# KiCad board artix-dc-scm.kicad_pcb
title: Artix - Datacenter Secure Control Module (DC-SCM); date: 2024-11-06; rev: 1.1.3
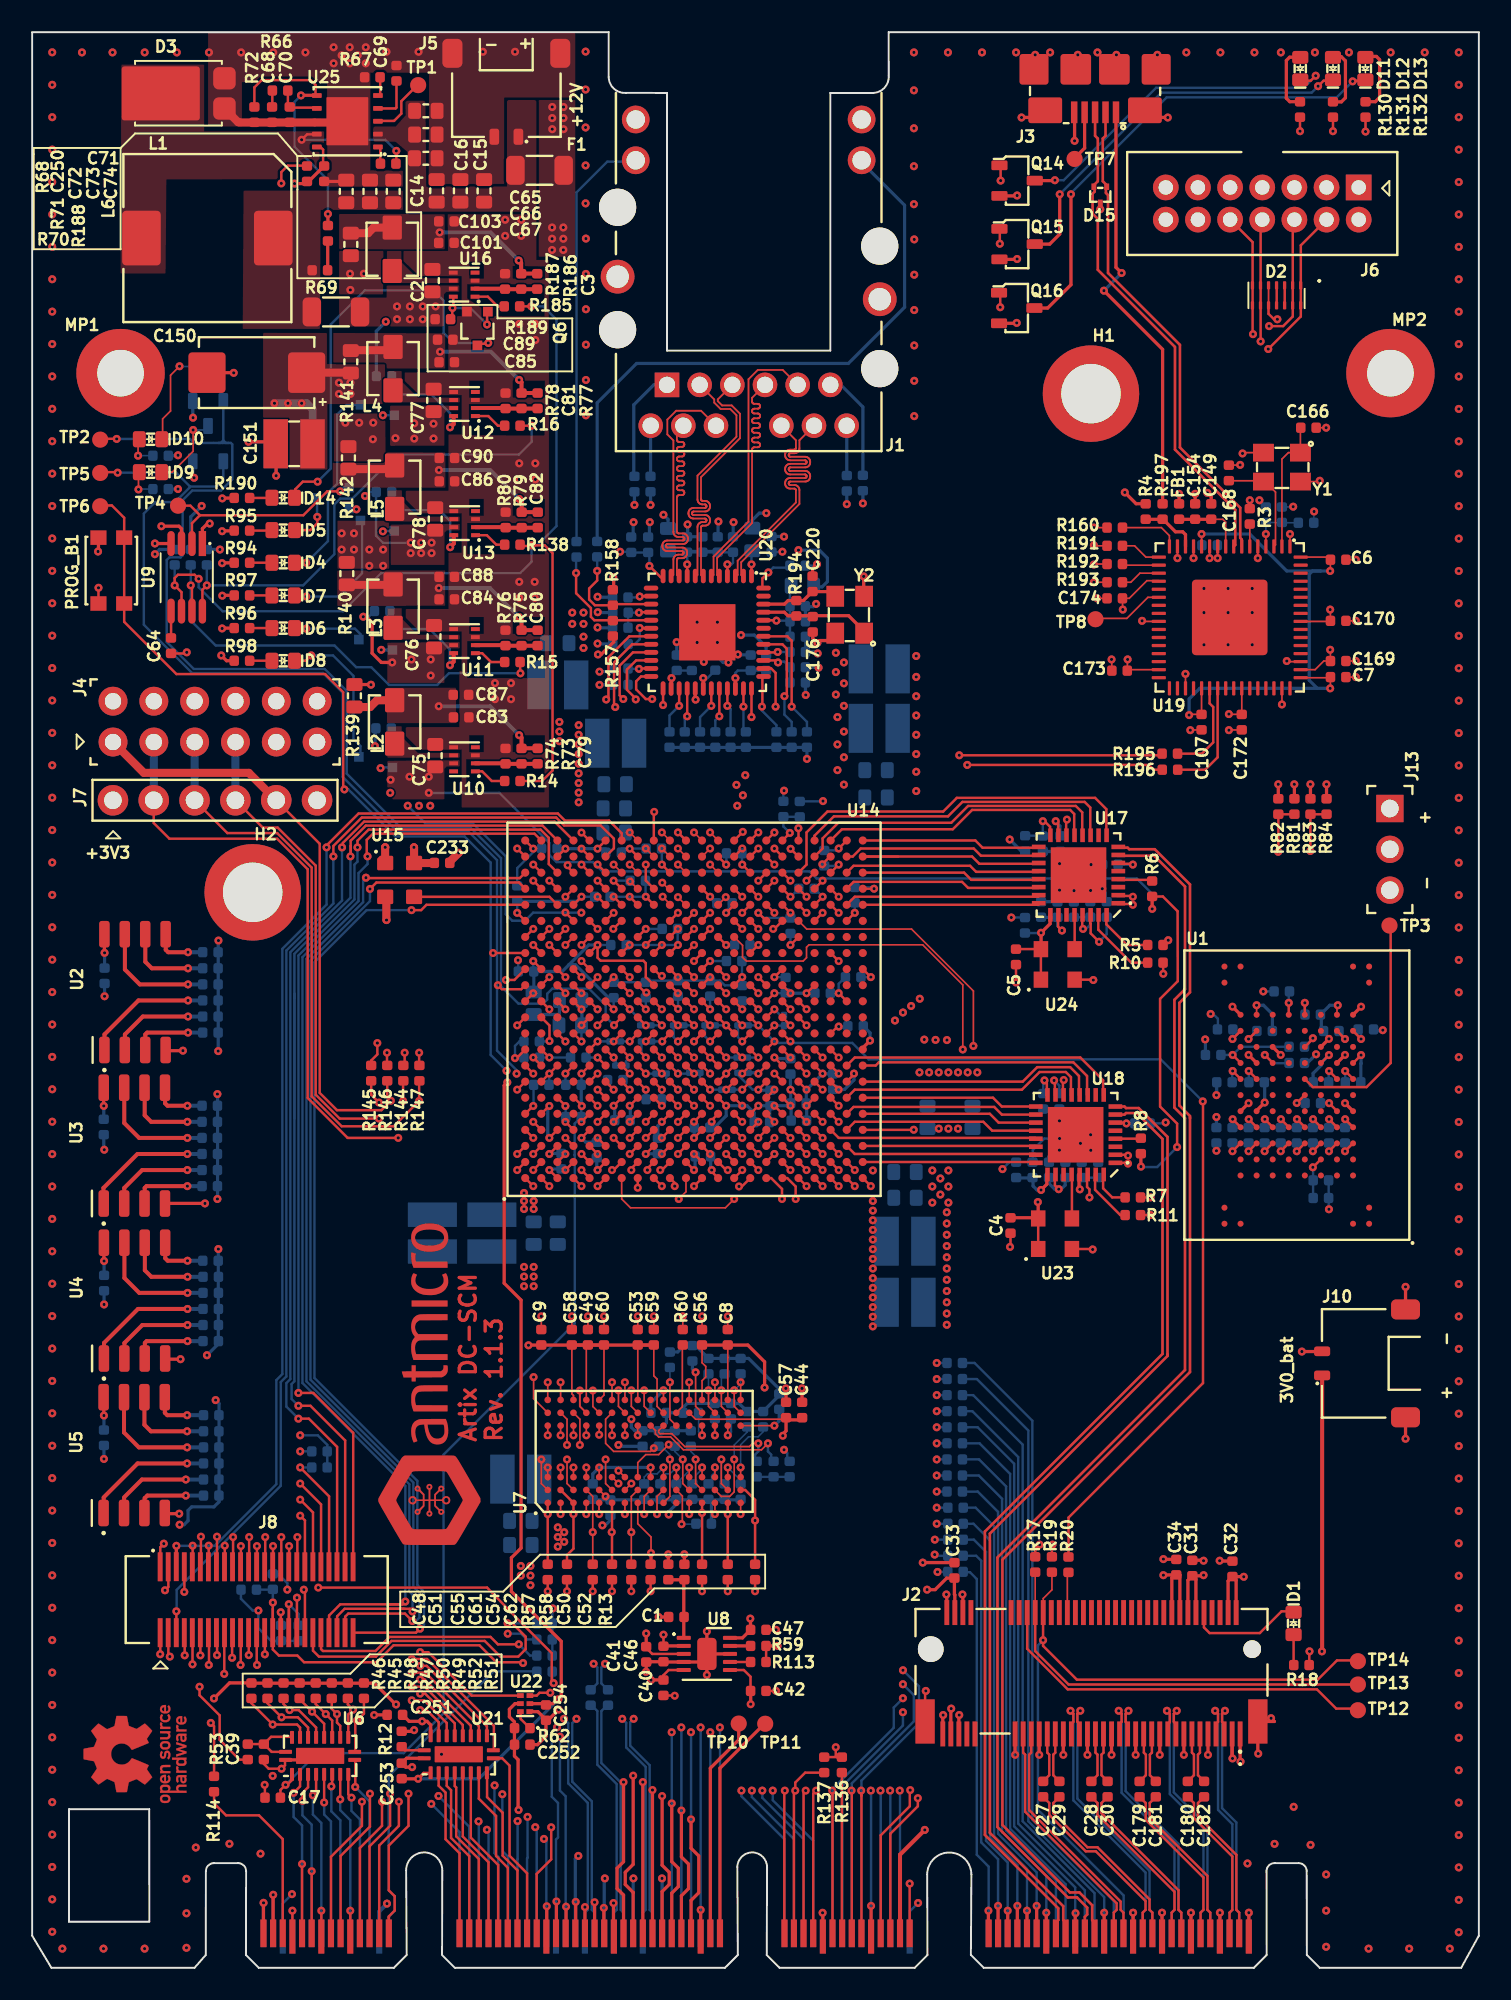
[diagram p0: board, top side]
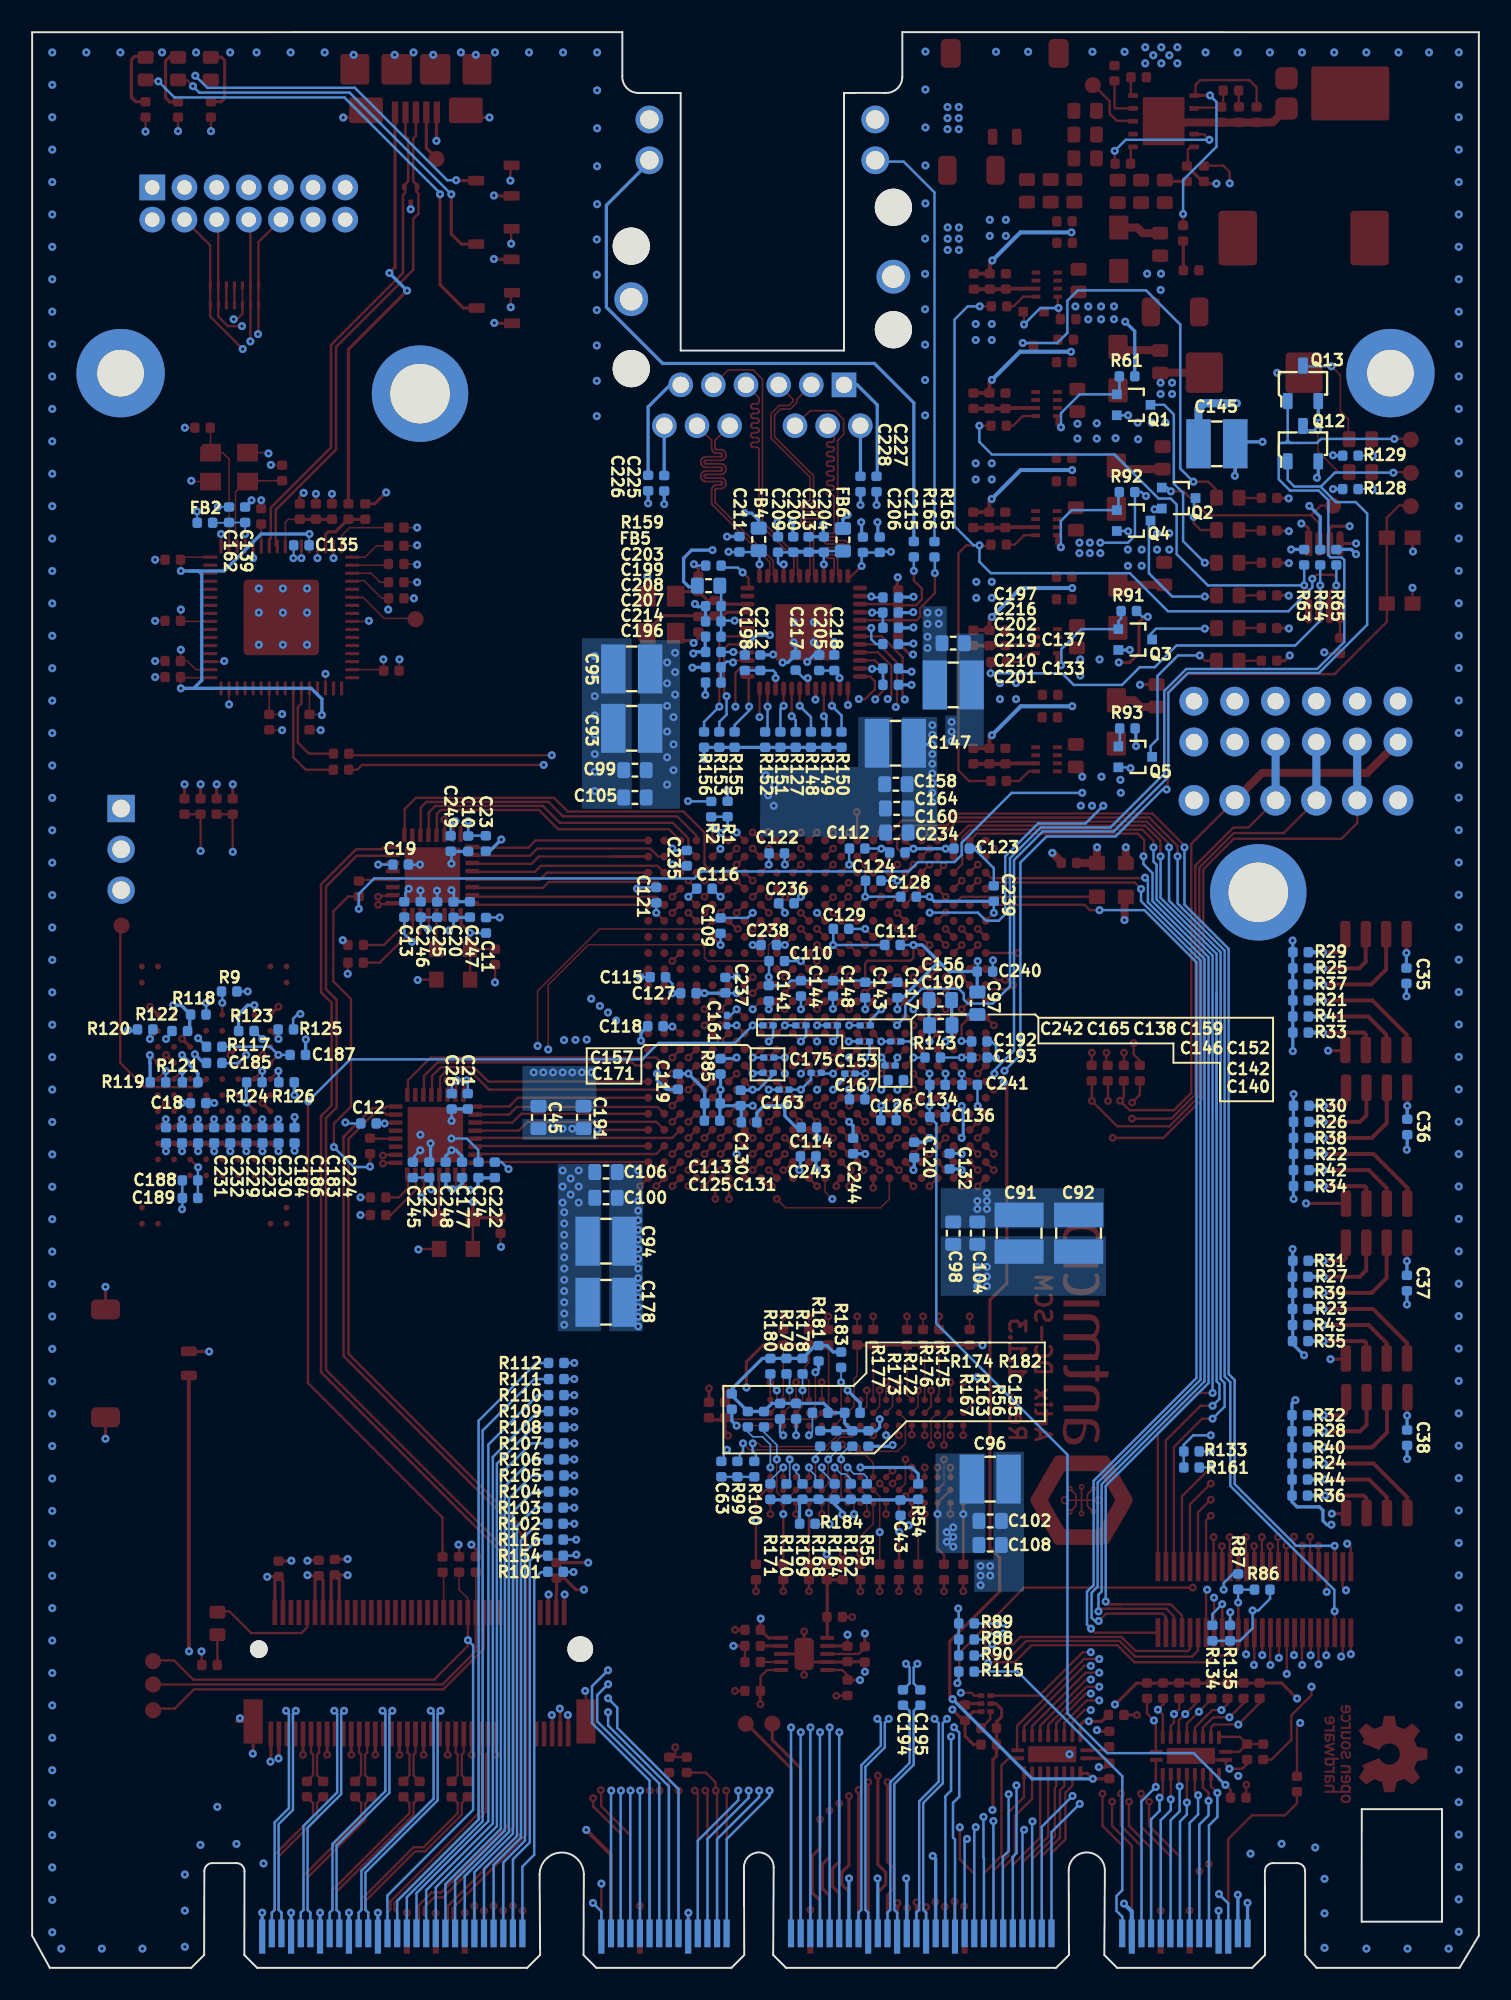
[diagram p1: board, bottom side, seen from below]

Outline 90 x 120.41 mm; copper layers: Top, In1.Cu, In2.Cu, In3.Cu, In4.Cu, In5.Cu, In6.Cu, Bottom. Coordinates in mm from the lower left corner of the outline.
Outline path: 0,2 0,120.4 35.87,120.41 35.87,117.61 arc(36.19,116.89) 36.94,116.63 39.49,116.62 39.49,100.6 49.65,100.6 49.65,116.62 52.3,116.62 arc(53.02,116.95) 53.29,117.7 53.29,120.41 90,120.4 90,2 88.9,0 80.1,0 79.3,0.8 79.29,6.02 arc(79.14,6.37) 78.79,6.52 77.29,6.52 arc(76.94,6.37) 76.79,6.02 76.8,0.8 76,0 59.2,0 58.4,0.8 58.43,5.81 arc(57.05,7.19) 55.68,5.81 55.7,0.8 54.9,0 46.5,0 45.7,0.8 45.72,6.26 arc(44.79,7.18) 43.87,6.26 43.9,0.8 43.1,0 26.3,0 25.5,0.8 25.51,6.06 arc(24.39,7.18) 23.26,6.06 23.3,0.8 22.5,0 14.1,0 13.3,0.8 13.31,6.02 arc(13.16,6.37) 12.81,6.52 11.31,6.51 arc(10.96,6.37) 10.81,6.01 10.8,0.8 10.1,0 1.2,0 0,2 ; 2.29,9.87 7.29,9.87 7.29,2.87 2.29,2.87 2.29,9.87
Stack: Top 0.035mm / dielectric 0.1857mm FR4 er 4.5 / In1.Cu 0.035mm / dielectric 0.1857mm FR4 er 4.5 / In2.Cu 0.035mm / dielectric 0.1857mm FR4 er 4.5 / In3.Cu 0.035mm / dielectric 0.1857mm FR4 er 4.5 / In4.Cu 0.035mm / dielectric 0.1857mm FR4 er 4.5 / In5.Cu 0.035mm / dielectric 0.1857mm FR4 er 4.5 / In6.Cu 0.035mm / dielectric 0.1857mm FR4 er 4.5 / Bottom 0.035mm

## Placement (name value [footprint] x y rotation side)
C1  C_1n_0402  [C_0402_1005Metric]  40.07 21.83 0 top
C2  C_10u_0603  [C_0603_1608Metric]  24.9 104.95 270 top
C3  C_120p_0402  [C_0402_1005Metric]  31.42 104.9 90 top
C4  C_100n_0402  [C_0402_1005Metric]  60.87 46.18 90 top
C5  C_100n_0402  [C_0402_1005Metric]  61.21 62.89 270 top
C6  C_100n_0402  [C_0402_1005Metric]  81.25 87.59 180 top
C7  C_100n_0402  [C_0402_1005Metric]  81.25 80.29 180 top
C8  C_470n_0402  [C_0402_1005Metric]  43.27 39.23 270 top
C9  C_470n_0402  [C_0402_1005Metric]  31.67 39.23 270 top
C10  C_100n_0402  [C_0402_1005Metric]  62.87 69.93 90 bottom
C11  C_100n_0402  [C_0402_1005Metric]  61.76 64.85 270 bottom
C12  C_100n_0402  [C_0402_1005Metric]  69.08 52.53 180 bottom
C13  C_100n_0402  [C_0402_1005Metric]  66.85 65.84 270 bottom
C14  C_10u_25V_0603  [C_0603_1608Metric]  25.16 110.54 270 top
C15  C_10u_25V_0603  [C_0603_1608Metric]  28.12 110.54 270 top
C16  C_10u_25V_0603  [C_0603_1608Metric]  26.64 110.54 270 top
C17  C_100n_6V3_0402  [C_0402_1005Metric]  14.96 10.59 0 top
C18  C_100n_0402  [C_0402_1005Metric]  79.67 53.79 0 bottom
C19  C_100n_0402  [C_0402_1005Metric]  67.07 68.63 0 bottom
C20  C_100n_0402  [C_0402_1005Metric]  63.79 65.83 270 bottom
C21  C_100n_0402  [C_0402_1005Metric]  62.9 53.9 90 bottom
C22  C_100n_0402  [C_0402_1005Metric]  65.29 49.64 270 bottom
C23  C_4u7_0402  [C_0402_1005Metric]  61.77 69.94 90 bottom
C24  C_100n_0402  [C_0402_1005Metric]  62.23 49.64 270 bottom
C25  C_100n_0402  [C_0402_1005Metric]  64.81 65.83 270 bottom
C26  C_100n_0402  [C_0402_1005Metric]  63.9 53.9 90 bottom
C27  C_100n_6V3_0402  [C_0402_1005Metric]  62.9 11.12 270 top
C28  C_100n_6V3_0402  [C_0402_1005Metric]  65.9 11.12 270 top
C29  C_100n_6V3_0402  [C_0402_1005Metric]  63.9 11.12 270 top
C30  C_100n_6V3_0402  [C_0402_1005Metric]  66.91 11.12 270 top
C31  C_10u_0402  [C_0402_1005Metric]  72.18 24.87 270 top
C32  C_10u_0402  [C_0402_1005Metric]  74.67 24.82 270 top
C33  C_10u_0402  [C_0402_1005Metric]  57.37 24.73 270 top
C34  C_10u_0402  [C_0402_1005Metric]  71.18 24.93 270 top
C35  C_470n_0402  [C_0402_1005Metric]  4.51 61.71 90 bottom
C36  C_470n_0402  [C_0402_1005Metric]  4.46 52.31 90 bottom
C37  C_470n_0402  [C_0402_1005Metric]  4.48 42.59 90 bottom
C38  C_470n_0402  [C_0402_1005Metric]  4.46 32.98 90 bottom
C39  C_100n_6V3_0402  [C_0402_1005Metric]  14.41 13.44 90 top
C40  C_10u_0402  [C_0402_1005Metric]  39.27 17.43 90 top
C41  C_10u_0402  [C_0402_1005Metric]  38.2 19.5 90 top
C42  C_100n_6V3_0402  [C_0402_1005Metric]  45.18 17.23 180 top
C43  C_10u_0402  [C_0402_1005Metric]  35.98 28.62 90 bottom
C44  C_100n_6V3_0402  [C_0402_1005Metric]  47.9 34.7 270 top
C45  C_4u7_0603  [C_0603_1608Metric]  58.5 52.9 270 bottom
C46  C_100n_6V3_0402  [C_0402_1005Metric]  39.27 19.53 90 top
C47  C_10u_0402  [C_0402_1005Metric]  45.18 21.03 180 top
C48  C_4u7_0402  [C_0402_1005Metric]  32.07 24.62 90 top
C49  C_470n_0402  [C_0402_1005Metric]  34.57 39.23 270 top
C50  C_470n_0402  [C_0402_1005Metric]  41.67 24.62 90 top
C51  C_470n_0402  [C_0402_1005Metric]  33.27 24.62 90 top
C52  C_470n_0402  [C_0402_1005Metric]  43.27 24.62 90 top
C53  C_470n_0402  [C_0402_1005Metric]  37.67 39.23 270 top
C54  C_470n_0402  [C_0402_1005Metric]  37.27 24.62 90 top
C55  C_470n_0402  [C_0402_1005Metric]  34.87 24.62 90 top
C56  C_470n_0402  [C_0402_1005Metric]  41.67 39.23 270 top
C57  C_100n_6V3_0402  [C_0402_1005Metric]  46.9 34.7 270 top
C58  C_470n_0402  [C_0402_1005Metric]  33.57 39.23 270 top
C59  C_470n_0402  [C_0402_1005Metric]  38.67 39.23 270 top
C60  C_470n_0402  [C_0402_1005Metric]  35.57 39.23 270 top
C61  C_470n_0402  [C_0402_1005Metric]  36.07 24.62 90 top
C62  C_100n_6V3_0402  [C_0402_1005Metric]  38.47 24.62 90 top
C63  C_100n_6V3_0402  [C_0402_1005Metric]  47.12 31.03 90 bottom
C64  C_10n_0402  [C_0402_1005Metric]  8.64 82.24 90 top
C65  C_2u2_0603_25V  [C_0603_1608Metric]  24.49 115.51 180 top
C66  C_2u2_0603_25V  [C_0603_1608Metric]  24.49 114.04 180 top
C67  C_2u2_0603_25V  [C_0603_1608Metric]  24.49 112.56 180 top
C68  C_4n7_0402  [C_0402_1005Metric]  14.93 115.28 90 top
C69  C_10n_0402  [C_0402_1005Metric]  22.66 117.85 270 top
C70  C_47p_0402  [C_0402_1005Metric]  16.02 115.28 90 top
C71  C_100n_6V3_0402  [C_0402_1005Metric]  22.15 112.23 0 top
C72  C_47u_0603  [C_0603_1608Metric]  19.54 110.5 270 top
C73  C_47u_0603  [C_0603_1608Metric]  21.01 110.5 270 top
C74  C_47u_0603  [C_0603_1608Metric]  22.46 110.5 270 top
C75  C_10u_0603  [C_0603_1608Metric]  25.07 75.4 270 top
C76  C_10u_0603  [C_0603_1608Metric]  25 82.8 270 top
C77  C_10u_0603  [C_0603_1608Metric]  24.98 97.5 270 top
C78  C_10u_0603  [C_0603_1608Metric]  25.07 90.13 270 top
C79  C_120p_0402  [C_0402_1005Metric]  31.45 75.38 90 top
C80  C_120p_0402  [C_0402_1005Metric]  31.45 82.73 90 top
C81  C_120p_0402  [C_0402_1005Metric]  31.45 97.48 90 top
C82  C_120p_0402  [C_0402_1005Metric]  31.46 90.07 90 top
C83  C_10u_0402  [C_0402_1005Metric]  26.69 77.79 180 top
C84  C_10u_0402  [C_0402_1005Metric]  25.79 85.13 180 top
C85  C_10u_0402  [C_0402_1005Metric]  25.79 99.88 180 top
C86  C_10u_0402  [C_0402_1005Metric]  25.8 92.47 180 top
C87  C_10u_0402  [C_0402_1005Metric]  26.67 79.19 180 top
C88  C_10u_0402  [C_0402_1005Metric]  25.79 86.53 180 top
C89  C_10u_0402  [C_0402_1005Metric]  25.7 101.28 180 top
C90  C_10u_0402  [C_0402_1005Metric]  25.8 93.92 180 top
C91  C_47u_1210  [C_1210_3225Metric]  28.6 45.7 90 bottom
C92  C_47u_1210  [C_1210_3225Metric]  24.9 45.7 90 bottom
C93  C_47u_1210  [C_1210_3225Metric]  52.7 77.1 180 bottom
C94  C_47u_1210  [C_1210_3225Metric]  54.3 45.2 180 bottom
C95  C_47u_1210  [C_1210_3225Metric]  52.7 80.8 180 bottom
C96  C_47u_1210  [C_1210_3225Metric]  30.4 30.4 0 bottom
C97  C_4u7_0603  [C_0603_1608Metric]  31.2 60 90 bottom
C98  C_4u7_0603  [C_0603_1608Metric]  32.7 45.7 90 bottom
C99  C_4u7_0603  [C_0603_1608Metric]  52.5 74.5 180 bottom
C100  C_4u7_0603  [C_0603_1608Metric]  54.3 47.9 180 bottom
C101  C_10u_0402  [C_0402_1005Metric]  25.77 107.3 180 top
C102  C_4u7_0603  [C_0603_1608Metric]  30.4 27.8 0 bottom
C103  C_10u_0402  [C_0402_1005Metric]  25.77 108.64 180 top
C104  C_4u7_0603  [C_0603_1608Metric]  31.2 45.7 90 bottom
C105  C_4u7_0603  [C_0603_1608Metric]  52.5 72.8 180 bottom
C106  C_4u7_0603  [C_0603_1608Metric]  54.3 49.5 180 bottom
C107  C_100n_0402  [C_0402_1005Metric]  72.75 77.49 90 top
C108  C_4u7_0603  [C_0603_1608Metric]  30.4 26.3 0 bottom
C109  C_470n_0402  [C_0402_1005Metric]  47.18 64.83 270 bottom
C110  C_470n_0402  [C_0402_1005Metric]  44.18 63.63 0 bottom
C111  C_470n_0402  [C_0402_1005Metric]  36.48 63.63 180 bottom
C112  C_470n_0402  [C_0402_1005Metric]  38.68 69.63 0 bottom
C113  C_470n_0402  [C_0402_1005Metric]  47.68 53.78 180 bottom
C114  C_470n_0402  [C_0402_1005Metric]  41.68 52.28 180 bottom
C115  C_470n_0402  [C_0402_1005Metric]  51.07 61.63 0 bottom
C116  C_470n_0402  [C_0402_1005Metric]  48.18 67.13 180 bottom
C117  C_470n_0402  [C_0402_1005Metric]  36.18 60.83 270 bottom
C118  C_470n_0402  [C_0402_1005Metric]  51.23 58.58 180 bottom
C119  C_470n_0402  [C_0402_1005Metric]  49.82 55.13 270 bottom
C120  C_470n_0402  [C_0402_1005Metric]  35.12 50.88 270 bottom
C121  C_470n_0402  [C_0402_1005Metric]  51.18 66.73 270 bottom
C122  C_470n_0402  [C_0402_1005Metric]  43.68 69.33 180 bottom
C123  C_470n_0402  [C_0402_1005Metric]  32.18 69.63 0 bottom
C124  C_470n_0402  [C_0402_1005Metric]  37.68 67.63 180 bottom
C125  C_470n_0402  [C_0402_1005Metric]  47.7 52.7 180 bottom
C126  C_470n_0402  [C_0402_1005Metric]  36.73 52.73 0 bottom
C127  C_470n_0402  [C_0402_1005Metric]  49.18 60.63 180 bottom
C128  C_470n_0402  [C_0402_1005Metric]  35.48 66.63 180 bottom
C129  C_470n_0402  [C_0402_1005Metric]  39.68 64.63 180 bottom
C130  C_470n_0402  [C_0402_1005Metric]  45.93 54.11 270 bottom
C131  C_470n_0402  [C_0402_1005Metric]  45.4 52.6 0 bottom
C132  C_470n_0402  [C_0402_1005Metric]  32.93 50.18 270 bottom
C133  C_47u_1210  [C_1210_3225Metric]  32.7 79.8 180 bottom
C134  C_100n_6V3_0402  [C_0402_1005Metric]  33.68 54.93 0 bottom
C135  C_100n_0402  [C_0402_1005Metric]  73.25 88.49 180 bottom
C136  C_100n_6V3_0402  [C_0402_1005Metric]  33.68 52.93 0 bottom
C137  C_4u7_0603  [C_0603_1608Metric]  32.7 82.4 180 bottom
C138  C_470n_0201  [C_0201]  40.23 58.63 0 bottom
C139  C_100n_0402  [C_0402_1005Metric]  76.75 90.39 270 bottom
C140  C_470n_0402  [C_0402_1005Metric]  36.27 55.23 180 bottom
C141  C_470n_0402  [C_0402_1005Metric]  44.18 60.63 270 bottom
C142  C_470n_0201  [C_0201]  36.62 56.13 180 bottom
C143  C_470n_0402  [C_0402_1005Metric]  38.18 60.83 270 bottom
C144  C_470n_0402  [C_0402_1005Metric]  42.18 60.93 270 bottom
C145  C_100u_1210  [C_1210_3225Metric]  16.3 94.8 0 bottom
C146  C_470n_0201  [C_0201]  38.23 57.63 0 bottom
C147  C_47u_1210  [C_1210_3225Metric]  36.3 76.17 180 bottom
C148  C_470n_0402  [C_0402_1005Metric]  40.18 60.93 270 bottom
C149  C_100n_0402  [C_0402_1005Metric]  73.35 90.59 270 top
C150  C_Pol_330u_6.3V_KEMET-T520-D  [C_Pol_EIA-D]  13.98 99.23 180 top
C151  C_100u_1210  [C_1210_3225Metric]  16.3 94.8 0 top
C152  C_470n_0201  [C_0201]  36.27 57.63 0 bottom
C153  C_470n_0201  [C_0201]  39.12 55.63 180 bottom
C154  C_4u7_0402  [C_0402_1005Metric]  72.35 90.59 270 top
C155  C_10u_0402  [C_0402_1005Metric]  37.98 32.93 90 bottom
C156  C_4u7_0603  [C_0603_1608Metric]  33.5 60.2 0 bottom
C157  C_470n_0201  [C_0201]  44.18 56.63 0 bottom
C158  C_4u7_0603  [C_0603_1608Metric]  36.27 73.62 180 bottom
C159  C_470n_0201  [C_0201]  38.18 58.63 0 bottom
C160  C_4u7_0603  [C_0603_1608Metric]  36.21 70.62 180 bottom
C161  C_470n_0201  [C_0201]  46.77 58.93 270 bottom
C162  C_4u7_0402  [C_0402_1005Metric]  77.75 90.39 270 bottom
C163  C_470n_0201  [C_0201]  43.23 54.63 0 bottom
C164  C_4u7_0603  [C_0603_1608Metric]  36.22 72.12 180 bottom
C165  C_470n_0201  [C_0201]  42.18 58.63 0 bottom
C166  C_18p_0402  [C_0402_1005Metric]  79.4 95.8 180 top
C167  C_470n_0402  [C_0402_1005Metric]  38.68 54.03 0 bottom
C168  C_18p_0402  [C_0402_1005Metric]  74.45 92.99 270 top
C169  C_100n_0402  [C_0402_1005Metric]  81.25 81.29 180 top
C170  C_100n_0402  [C_0402_1005Metric]  81.25 83.79 180 top
C171  C_470n_0201  [C_0201]  44.23 55.68 0 bottom
C172  C_100n_0402  [C_0402_1005Metric]  75.25 77.49 90 top
C173  C_100n_0402  [C_0402_1005Metric]  67.65 80.69 0 top
C174  C_100n_0402  [C_0402_1005Metric]  67.35 85.19 0 top
C175  C_470n_0201  [C_0201]  41.23 55.68 180 bottom
C176  C_22p_0402  [C_0402_1005Metric]  48.56 83.57 90 top
C177  C_4u7_0402  [C_0402_1005Metric]  63.26 49.64 270 bottom
C178  C_47u_1210  [C_1210_3225Metric]  54.3 41.4 180 bottom
C179  C_100n_6V3_0402  [C_0402_1005Metric]  68.9 11.12 270 top
C180  C_100n_6V3_0402  [C_0402_1005Metric]  71.9 11.12 270 top
C181  C_100n_6V3_0402  [C_0402_1005Metric]  69.91 11.12 270 top
C182  C_100n_6V3_0402  [C_0402_1005Metric]  72.91 11.12 270 top
C183  C_2u2_0402  [C_0402_1005Metric]  74.67 51.79 270 bottom
C184  C_2u2_0402  [C_0402_1005Metric]  76.67 51.79 270 bottom
C185  C_2u2_0402  [C_0402_1005Metric]  78.67 56.29 180 bottom
C186  C_100n_6V3_0402  [C_0402_1005Metric]  75.67 51.79 270 bottom
C187  C_100n_6V3_0402  [C_0402_1005Metric]  73.47 56.79 0 bottom
C188  C_4u7_0402  [C_0402_1005Metric]  80.17 48.99 180 bottom
C189  C_100n_6V3_0402  [C_0402_1005Metric]  80.17 47.89 180 bottom
C190  C_4u7_0603  [C_0603_1608Metric]  33.48 58.63 0 bottom
C191  C_4u7_0603  [C_0603_1608Metric]  55.7 52.9 270 bottom
C192  C_100n_6V3_0402  [C_0402_1005Metric]  31.07 57.63 0 bottom
C193  C_100n_6V3_0402  [C_0402_1005Metric]  31.07 56.63 0 bottom
C194  C_100n_6V3_0402  [C_0402_1005Metric]  35.82 16.81 90 bottom
C195  C_100n_6V3_0402  [C_0402_1005Metric]  34.74 16.81 90 bottom
C196  C_4u7_0402  [C_0402_1005Metric]  47.62 79.95 180 bottom
C197  C_470n_0402  [C_0402_1005Metric]  36.59 85.24 0 bottom
C198  C_4u7_0402  [C_0402_1005Metric]  45.66 81.18 270 bottom
C199  C_4u7_0402  [C_0402_1005Metric]  47.62 83.75 180 bottom
C200  C_4u7_0402  [C_0402_1005Metric]  42.65 88.54 270 bottom
C201  C_470n_0402  [C_0402_1005Metric]  36.59 79.81 0 bottom
C202  C_470n_0402  [C_0402_1005Metric]  36.59 83.36 0 bottom
C203  C_100n_0402  [C_0402_1005Metric]  47.62 84.7 180 bottom
C204  C_470n_0402  [C_0402_1005Metric]  40.74 88.54 270 bottom
C205  C_470n_0402  [C_0402_1005Metric]  41.04 81.18 270 bottom
C206  C_4u7_0402  [C_0402_1005Metric]  38.32 88.52 270 bottom
C207  C_10n_0402  [C_0402_1005Metric]  47.62 81.85 180 bottom
C208  C_10n_0402  [C_0402_1005Metric]  47.62 82.8 180 bottom
C209  C_10n_0402  [C_0402_1005Metric]  43.6 88.54 270 bottom
C210  C_10n_0402  [C_0402_1005Metric]  36.59 80.82 0 bottom
C211  C_10n_0402  [C_0402_1005Metric]  46 88.55 270 bottom
C212  C_10n_0402  [C_0402_1005Metric]  44.7 81.18 270 bottom
C213  C_10n_0402  [C_0402_1005Metric]  41.7 88.54 270 bottom
C214  C_10n_0402  [C_0402_1005Metric]  47.62 80.9 180 bottom
C215  C_10n_0402  [C_0402_1005Metric]  37.27 88.52 270 bottom
C216  C_10n_0402  [C_0402_1005Metric]  36.6 84.3 0 bottom
C217  C_10n_0402  [C_0402_1005Metric]  42.5 81.2 270 bottom
C218  C_10n_0402  [C_0402_1005Metric]  40.1 81.18 270 bottom
C219  C_10n_0402  [C_0402_1005Metric]  36.6 82.35 0 bottom
C220  C_22p_0402  [C_0402_1005Metric]  48.55 86.09 270 top
C222  C_4u7_0402  [C_0402_1005Metric]  61.21 49.64 270 bottom
C223  C_100n_6V3_0402  [C_0402_1005Metric]  78.67 51.79 270 bottom
C224  C_100n_6V3_0402  [C_0402_1005Metric]  73.68 51.79 270 bottom
C225  C_100n_0402  [C_0402_1005Metric]  50.68 92.35 90 bottom
C226  C_100n_0402  [C_0402_1005Metric]  51.68 92.36 90 bottom
C227  C_100n_0402  [C_0402_1005Metric]  37.47 92.3 90 bottom
C228  C_100n_0402  [C_0402_1005Metric]  38.47 92.3 90 bottom
C229  C_100n_6V3_0402  [C_0402_1005Metric]  79.67 51.79 270 bottom
C230  C_100n_6V3_0402  [C_0402_1005Metric]  77.67 51.79 270 bottom
C231  C_100n_6V3_0402  [C_0402_1005Metric]  81.67 51.79 270 bottom
C232  C_100n_6V3_0402  [C_0402_1005Metric]  80.67 51.79 270 bottom
C233  C_100n_0402  [C_0402_1005Metric]  25.5 68.73 180 top
C234  C_470n_0402  [C_0402_1005Metric]  36.18 69.37 180 bottom
C235  C_470n_0402  [C_0402_1005Metric]  49.27 69.03 270 bottom
C236  C_470n_0402  [C_0402_1005Metric]  43.07 66.23 0 bottom
C237  C_470n_0402  [C_0402_1005Metric]  46.87 61.13 270 bottom
C238  C_470n_0402  [C_0402_1005Metric]  43.68 62.63 180 bottom
C239  C_470n_0402  [C_0402_1005Metric]  30.18 66.83 270 bottom
C240  C_470n_0402  [C_0402_1005Metric]  30.73 61.98 0 bottom
C241  C_100n_6V3_0402  [C_0402_1005Metric]  31.68 54.93 0 bottom
C242  C_470n_0201  [C_0201]  44.23 58.63 0 bottom
C243  C_470n_0402  [C_0402_1005Metric]  41.73 50.48 0 bottom
C244  C_470n_0402  [C_0402_1005Metric]  38.93 51.12 270 bottom
C245  C_4u7_0402  [C_0402_1005Metric]  66.31 49.64 270 bottom
C246  C_4u7_0402  [C_0402_1005Metric]  65.83 65.84 270 bottom
C247  C_4u7_0402  [C_0402_1005Metric]  62.76 65.84 270 bottom
C248  C_100n_0402  [C_0402_1005Metric]  64.28 49.64 270 bottom
C249  C_100n_0402  [C_0402_1005Metric]  63.96 69.94 90 bottom
C250  C_10u_0402  [C_0402_1005Metric]  18.16 111.6 90 top
C251  C_100n_0402  [C_0402_1005Metric]  22.57 15.74 0 top
C252  C_100n_0402  [C_0402_1005Metric]  30.49 13.89 180 top
C253  C_100n_0402  [C_0402_1005Metric]  22.99 12.25 270 top
C254  C_100n_0402  [C_0402_1005Metric]  31.96 15.88 90 top
D1  LED_G_0603_KP-1608CGCK  [LED_0603_1608Metric_G]  78.47 21.43 270 top
D2  SP3011-06UTG  [USON-14_3.5x1.35_P0.5mm]  77.41 104.04 270 top
D3  PDS760  [PowerDI5]  9.1 116.6 180 top
D4  LED_G_0603_LG_L29K-G2J1-24-Z  [LED_0603_1608Metric_G]  15.62 87.4 180 top
D5  LED_G_0603_LG_L29K-G2J1-24-Z  [LED_0603_1608Metric_G]  15.62 89.43 180 top
D6  LED_G_0603_LG_L29K-G2J1-24-Z  [LED_0603_1608Metric_G]  15.62 83.34 180 top
D7  LED_G_0603_LG_L29K-G2J1-24-Z  [LED_0603_1608Metric_G]  15.62 85.37 180 top
D8  LED_G_0603_LG_L29K-G2J1-24-Z  [LED_0603_1608Metric_G]  15.62 81.31 180 top
D9  LED_G_0603_LG_L29K-G2J1-24-Z  [LED_0603_1608Metric_G]  7.37 93.04 180 top
D10  LED_G_0603_LG_L29K-G2J1-24-Z  [LED_0603_1608Metric_G]  7.37 95.09 180 top
D11  LED_G_0603_LG_L29K-G2J1-24-Z  [LED_0603_1608Metric_G]  78.89 118.14 90 top
D12  LED_G_0603_LG_L29K-G2J1-24-Z  [LED_0603_1608Metric_G]  80.93 118.14 90 top
D13  LED_G_0603_LG_L29K-G2J1-24-Z  [LED_0603_1608Metric_G]  82.94 118.14 90 top
D14  LED_G_0603_LG_L29K-G2J1-24-Z  [LED_0603_1608Metric_G]  15.62 91.44 180 top
D15  TPD2E009_SOT-9X3  [SOT-723]  66.45 110.29 270 top
F1  F_3A_1206  [F_1206_3216Metric]  31.57 111.81 180 top
FB1  FB_600Z_0.3A_Murata-BLM15AG_0402  [FB_0402_1005Metric]  71.35 90.59 270 top
FB2  FB_600Z_0.3A_Murata-BLM15AG_0402  [FB_0402_1005Metric]  79.25 89.89 180 bottom
FB4  FB_120Z_2A_Murata-BLM18PG_0603  [FB_0603_1608Metric]  44.8 88.85 270 bottom
FB5  FB_120Z_2A_Murata-BLM18PG_0603  [FB_0603_1608Metric]  47.92 85.97 0 bottom
FB6  FB_120Z_2A_Murata-BLM18PG_0603  [FB_0603_1608Metric]  39.56 88.83 90 bottom
H1  -  [Spacer_Drill3.7mm_H2.5mm_9774025151R]  65.87 97.92 0 top
H2  -  [Spacer_Drill3.7mm_H4mm_9774040151R]  13.72 66.9 0 top
J1  L834-1G1T-S7  [RJ45_BEL_L834-1G1T-S7]  39.49 98.47 180 top
J2  Bus_M.2_1-2199230-6  [Bus_M.2_Socket_Key_M_TE_1-2199230-6]  65.9 18.33 180 top
J3  USB-Micro-B_Amphenol_10118192-0001LF  [USB-Micro-B_Receptacle_Amphenol_10118192]  66.12 117.65 180 top
J4  -  [PinSocket_2x6_P2.54mm_Drill1.02mm_PMOD]  5.03 76.25 90 top
J5  Molex_Pico-Lock_1x2_504050-0291  [Conn_Molex_Pico-Lock_1x2_504050-0291]  29.5 116.75 180 top